# Altium PCB RaspberryPi_ComputeModule3.PcbDoc (continued)
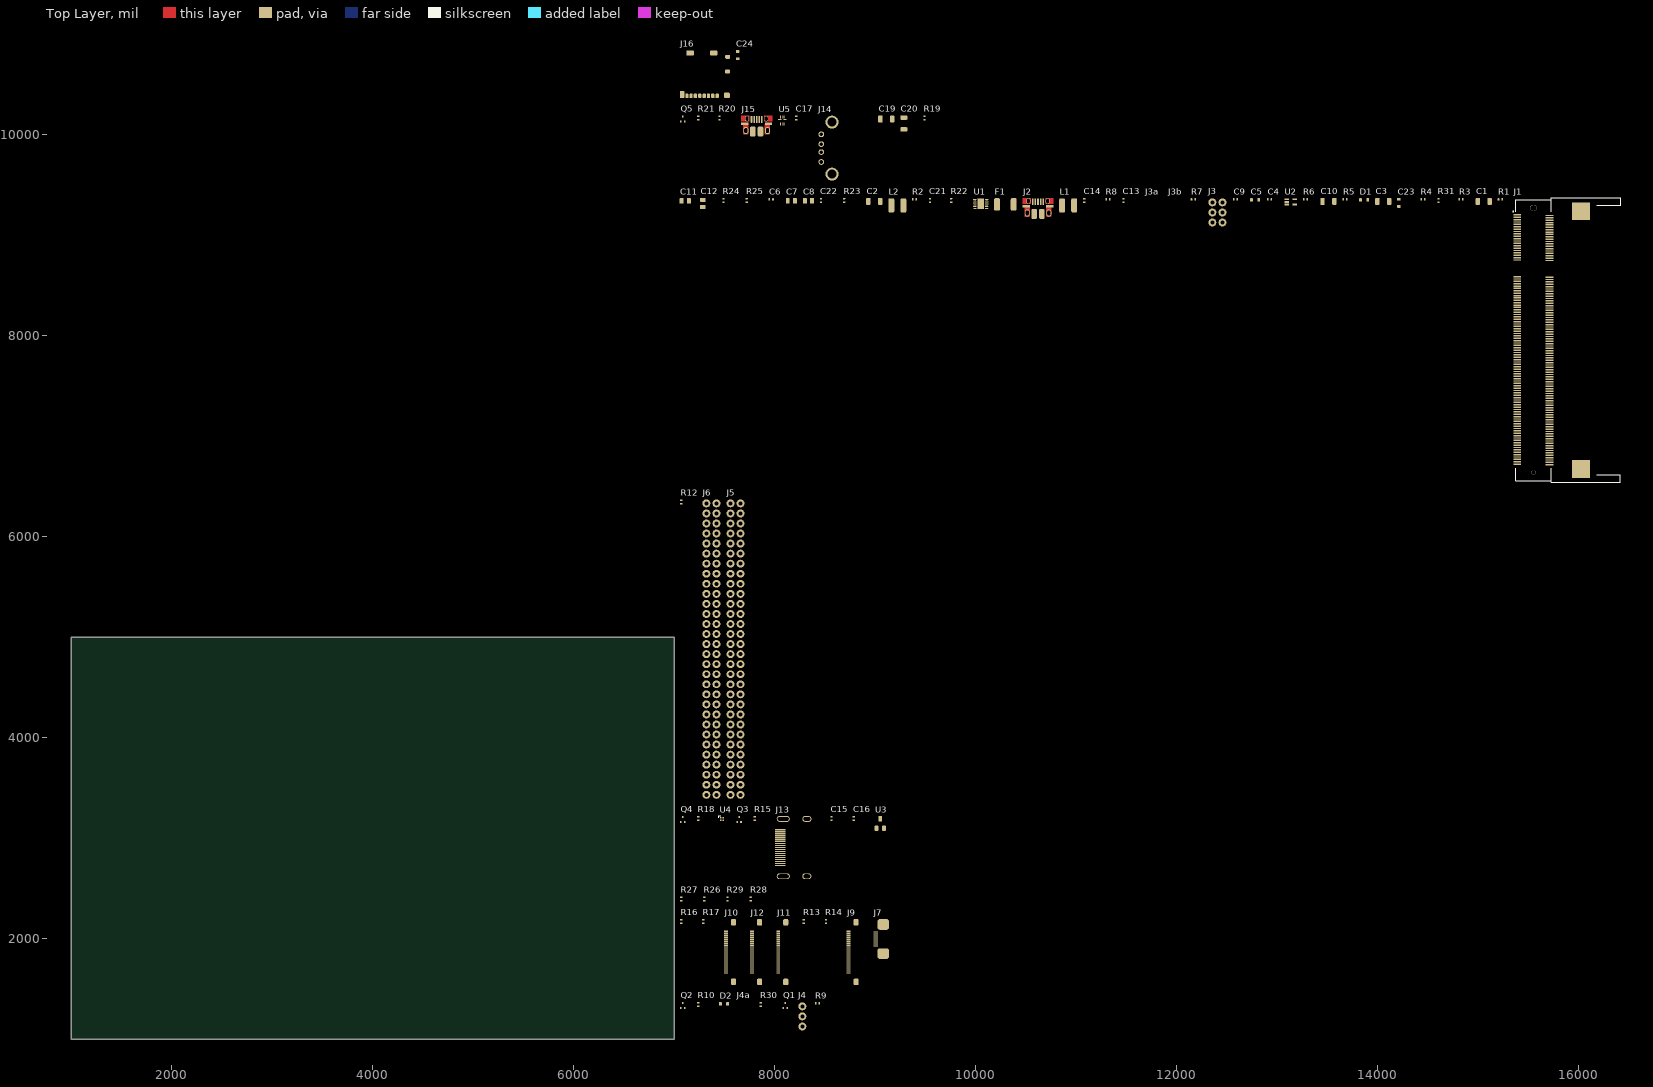
[diagram p0: Top Layer view]
## Footprints (in the part's own frame and the unit in brackets; to place one, negate y for a bottom-side part, rotate by r counter-clockwise, add the part's x,y. Pads: shape width x height; smd on the part's side, far side on the other; paste and mask are expansions set on the pad) (continued)
  Top Layer region: -2.808,0.595 -2.726,1.397 -2.075,1.397 -2.075,-0.66 -2.076,-0.679 -2.079,-0.704 -2.085,-0.728 -2.093,-0.752 -2.104,-0.775 -2.117,-0.796 -2.132,-0.816 -2.15,-0.834 -2.169,-0.85 -2.19,-0.865 -2.212,-0.877 -2.235,-0.886 -2.259,-0.893 -2.284,-0.898 -2.309,-0.9 -2.725,-0.9 -2.725,-0.605 -2.697,-0.604 -2.679,-0.602 -2.66,-0.599 -2.642,-0.595 -2.624,-0.59 -2.606,-0.585 -2.589,-0.578 -2.572,-0.571 -2.556,-0.562 -2.539,-0.553 -2.524,-0.543 -2.509,-0.532 -2.494,-0.52 -2.481,-0.508 -2.467,-0.494 -2.455,-0.481 -2.443,-0.466 -2.432,-0.451 -2.422,-0.436 -2.413,-0.419 -2.404,-0.403 -2.397,-0.386 -2.39,-0.369 -2.385,-0.351 -2.38,-0.333 -2.376,-0.315 -2.373,-0.296 -2.371,-0.278 -2.37,-0.259 -2.37,0 -2.37,0.25 -2.371,0.278 -2.373,0.296 -2.376,0.315 -2.38,0.333 -2.385,0.351 -2.39,0.369 -2.397,0.386 -2.404,0.403 -2.413,0.419 -2.422,0.436 -2.432,0.451 -2.443,0.466 -2.455,0.481 -2.467,0.494 -2.481,0.508 -2.494,0.52 -2.509,0.532 -2.524,0.543 -2.539,0.553 -2.556,0.562 -2.572,0.571 -2.589,0.578 -2.606,0.585 -2.624,0.59 -2.642,0.595 -2.66,0.599 -2.679,0.602 -2.697,0.604
  body extent -4.02,-2.78 4.02,3.26, height 2.89
"GJM 0402 C" [mm] "IPC Medium Density"
  rrect50% 0.4x0.6 smd: 1(-0.45,0) 2(0.45,0)
  body extent -0.5,-0.3 0.5,0.3, height 0.2
"Kobiconn 151-8011-E (Blue)" [mil]
  body extent -98,-47 98,47, height 126
"Molex 54548-2271" [mm]
  rrect50% 0.3x1 smd mask+0.05: 1(5.25,0) 2(4.75,0) 3(4.25,0) 4(3.75,0) 5(3.25,0) 6(2.75,0) 7(2.25,0) 8(1.75,0) 9(1.25,0) 10(0.75,0) 11(0.25,0) 12(-0.25,0) 13(-0.75,0) 14(-1.25,0) 15(-1.75,0) 16(-2.25,0) 17(-2.75,0) 18(-3.25,0) 19(-3.75,0) 20(-4.25,0) 21(-4.75,0) 22(-5.25,0)
  rrect50% 1.65x1.3 smd mask+0.05: G1(7.525,-1.9) G2(-7.525,-1.9)
  body extent -8.1,-4.8 8.1,0.2, height 1.2
"MOLEX 104031-0811" [mm] "Micro SD Card"
  rrect50% 0.85x1.1 smd: 1(3.105,-5.2) 3(0.905,-5.2) 4(-0.195,-5.2) 5(-1.295,-5.2) 6(-2.395,-5.2) 7(-3.495,-5.2)
  rrect50% 0.875x1.1 smd: 2(2.005,-5.2)
  rrect50% 0.75x1.1 smd: 8(-4.545,-5.2)
  rrect50% 1.2x1 smd: 9(5.74,0.95) 10(5.74,4.65)
  rrect50% 1.9x1.35 smd: 11(2.24,5.625) 12(-3.73,5.625)
  rrect50% 1.17x1.8 smd: 13(-5.755,-4.85)
  rrect50% 1.55x1.35 smd: 14(5.565,-5.075)
  body extent -5.98,-5.46 5.97,5.94, height 1.44
"Molex 471511051 HDMi" [mm] "Molex 471511051"
  rrect50% 0.3x2.6 smd mask+0.05: 1(4.5,0.76) 2(4,0.76) 3(3.5,0.76) 4(3,0.76) 5(2.5,0.76) 6(2,0.76) 7(1.5,0.76) 8(1,0.76) 9(0.5,0.76) 10(0,0.76) 11(-0.5,0.76) 12(-1,0.76) 13(-1.5,0.76) 14(-2,0.76) 15(-2.5,0.76) 16(-3,0.76) 17(-3.5,0.76) 18(-4,0.76) 19(-4.5,0.76)
  rrect100% 1.5x3.3 hole 0.9 slot 2.7 at 90 deg: 20(7.25,0) 22(-7.25,0)
  rrect100% 1.5x2.3 hole 0.9 slot 1.7 at 90 deg: 21(7.25,-5.96) 23(-7.25,-5.96)
  body extent -7.55,-10.5 7.45,1.65, height 16.17
"MURATA C1206 / CAPC3216X94N" [mil] "MURATA CAPC3216X94N"
  rrect50% 44x71 smd: 1(-59,0) 2(59,0)
  body extent -63,-31 63,32, height 39
"ONSemi CSP-9" [mm]
  round 0.21 smd: A1(-0.4,0.4) A2(0,0.4) A3(0.4,0.4) B1(-0.4,0) B2(0,0) B3(0.4,0) C1(-0.4,-0.4) C2(0,-0.4) C3(0.4,-0.4)
  silkscreen extent -0.76,0.25 -0.25,0.76, body extent -0.57,-0.57 0.57,0.57, height 0.57
RES0402 [mm]
  rrect50% 0.4x0.6 smd: 1(-0.45,0) 2(0.45,0)
  body extent -0.5,-0.25 0.5,0.25, height 0.3
RES0402N/A [mm] "KOA N.A"
  rrect50% 0.4x0.6 smd: 1(-0.45,0) 2(0.45,0)
"ROHM 0603 LED" [mm] "ROHM 0603 LED"
  rrect50% 0.7x0.9 smd: A(-0.9,0) C(0.9,0)
  body extent -0.8,-0.4 0.8,0.42, height 0.7
"Samtec TSW-103-07-S-S" [mm] "Samtec TSW-103-07-S-S"
  round 2 hole 1: 1(-2.54,0) 2(0,0) 3(2.54,0)
  body extent -3.95,-1.27 3.8,1.27, height 8.38
"TDK 0402 C" [mm] "Minimal"
  rrect50% 0.4x0.6 smd: 1(-0.45,0) 2(0.45,0)
  body extent -0.5,-0.3 0.5,0.3, height 0.2
"TE 2x30 PINS 8-146256-0" [mm]
  round 2 hole 1: 1(0,0) 2(0,2.54) 3(2.54,0) 4(2.54,2.54) 5(5.08,0) 6(5.08,2.54) 7(7.62,0) 8(7.62,2.54) 9(10.16,0) 10(10.16,2.54) 11(12.7,0) 12(12.7,2.54) 13(15.24,0) 14(15.24,2.54) 15(17.78,0) 16(17.78,2.54) 17(20.32,0) 18(20.32,2.54) 19(22.86,0) 20(22.86,2.54) 21(25.4,0) 22(25.4,2.54) 23(27.94,0) 24(27.94,2.54) 25(30.48,0) 26(30.48,2.54) 27(33.02,0) 28(33.02,2.54) 29(35.56,0) 30(35.56,2.54) 31(38.1,0) 32(38.1,2.54) 33(40.64,0) 34(40.64,2.54) 35(43.18,0) 36(43.18,2.54) 37(45.72,0) 38(45.72,2.54) 39(48.26,0) 40(48.26,2.54) 41(50.8,0) 42(50.8,2.54) 43(53.34,0) 44(53.34,2.54) 45(55.88,0) 46(55.88,2.54) 47(58.42,0) 48(58.42,2.54) 49(60.96,0) 50(60.96,2.54) 51(63.5,0) 52(63.5,2.54) 53(66.04,0) 54(66.04,2.54) 55(68.58,0) 56(68.58,2.54) 57(71.12,0) 58(71.12,2.54) 59(73.66,0) 60(73.66,2.54)
  body extent -1.08,-1.17 74.71,3.71, height 8.13
"TE 1473005-4 (DDR2 SO-DIMM)" [mm]
  rect 0.35x2 smd: 1(31.65,4.1) 2(31.5,-4.1) 3(31.05,4.1) 4(30.9,-4.1) 5(30.45,4.1) 6(30.3,-4.1) 7(29.85,4.1) 8(29.7,-4.1) 9(29.25,4.1) 10(29.1,-4.1) 11(28.65,4.1) 12(28.5,-4.1) 13(28.05,4.1) 14(27.9,-4.1) 15(27.45,4.1) 16(27.3,-4.1) 17(26.85,4.1) 18(26.7,-4.1) 19(26.25,4.1) 20(26.1,-4.1) 21(25.65,4.1) 22(25.5,-4.1) 23(25.05,4.1) 24(24.9,-4.1) 25(24.45,4.1) 26(24.3,-4.1) 27(23.85,4.1) 28(23.7,-4.1) 29(23.25,4.1) 30(23.1,-4.1) 31(22.65,4.1) 32(22.5,-4.1) 33(22.05,4.1) 34(21.9,-4.1) 35(21.45,4.1) 36(21.3,-4.1) 37(20.85,4.1) 38(20.7,-4.1) 39(20.25,4.1) 40(20.1,-4.1) 41(16.05,4.1) 42(15.9,-4.1) 43(15.45,4.1) 44(15.3,-4.1) 45(14.85,4.1) 46(14.7,-4.1) 47(14.25,4.1) 48(14.1,-4.1) 49(13.65,4.1) 50(13.5,-4.1) 51(13.05,4.1) 52(12.9,-4.1) 53(12.45,4.1) 54(12.3,-4.1) 55(11.85,4.1) 56(11.7,-4.1) 57(11.25,4.1) 58(11.1,-4.1) 59(10.65,4.1) 60(10.5,-4.1) 61(10.05,4.1) 62(9.9,-4.1) 63(9.45,4.1) 64(9.3,-4.1) 65(8.85,4.1) 66(8.7,-4.1) 67(8.25,4.1) 68(8.1,-4.1) 69(7.65,4.1) 70(7.5,-4.1) 71(7.05,4.1) 72(6.9,-4.1) 73(6.45,4.1) 74(6.3,-4.1) 75(5.85,4.1) 76(5.7,-4.1) 77(5.25,4.1) 78(5.1,-4.1) 79(4.65,4.1) 80(4.5,-4.1) 81(4.05,4.1) 82(3.9,-4.1) 83(3.45,4.1) 84(3.3,-4.1) 85(2.85,4.1) 86(2.7,-4.1) 87(2.25,4.1) 88(2.1,-4.1) 89(1.65,4.1) 90(1.5,-4.1) 91(1.05,4.1) 92(0.9,-4.1) 93(0.45,4.1) 94(0.3,-4.1) 95(-0.15,4.1) 96(-0.3,-4.1) 97(-0.75,4.1) 98(-0.9,-4.1) 99(-1.35,4.1) 100(-1.5,-4.1) 101(-1.95,4.1) 102(-2.1,-4.1) 103(-2.55,4.1) 104(-2.7,-4.1) 105(-3.15,4.1) 106(-3.3,-4.1) 107(-3.75,4.1) 108(-3.9,-4.1) 109(-4.35,4.1) 110(-4.5,-4.1) 111(-4.95,4.1) 112(-5.1,-4.1) 113(-5.55,4.1) 114(-5.7,-4.1) 115(-6.15,4.1) 116(-6.3,-4.1) 117(-6.75,4.1) 118(-6.9,-4.1) 119(-7.35,4.1) 120(-7.5,-4.1) 121(-7.95,4.1) 122(-8.1,-4.1) 123(-8.55,4.1) 124(-8.7,-4.1) 125(-9.15,4.1) 126(-9.3,-4.1) 127(-9.75,4.1) 128(-9.9,-4.1) 129(-10.35,4.1) 130(-10.5,-4.1) 131(-10.95,4.1) 132(-11.1,-4.1) 133(-11.55,4.1) 134(-11.7,-4.1) 135(-12.15,4.1) 136(-12.3,-4.1) 137(-12.75,4.1) 138(-12.9,-4.1) 139(-13.35,4.1) 140(-13.5,-4.1) 141(-13.95,4.1) 142(-14.1,-4.1) 143(-14.55,4.1) 144(-14.7,-4.1) 145(-15.15,4.1) 146(-15.3,-4.1) 147(-15.75,4.1) 148(-15.9,-4.1) 149(-16.35,4.1) 150(-16.5,-4.1) 151(-16.95,4.1) 152(-17.1,-4.1) 153(-17.55,4.1) 154(-17.7,-4.1) 155(-18.15,4.1) 156(-18.3,-4.1) 157(-18.75,4.1) 158(-18.9,-4.1) 159(-19.35,4.1) 160(-19.5,-4.1) 161(-19.95,4.1) 162(-20.1,-4.1) 163(-20.55,4.1) 164(-20.7,-4.1) 165(-21.15,4.1) 166(-21.3,-4.1) 167(-21.75,4.1) 168(-21.9,-4.1) 169(-22.35,4.1) 170(-22.5,-4.1) 171(-22.95,4.1) 172(-23.1,-4.1) 173(-23.55,4.1) 174(-23.7,-4.1) 175(-24.15,4.1) 176(-24.3,-4.1) 177(-24.75,4.1) 178(-24.9,-4.1) 179(-25.35,4.1) 180(-25.5,-4.1) 181(-25.95,4.1) 182(-26.1,-4.1) 183(-26.55,4.1) 184(-26.7,-4.1) 185(-27.15,4.1) 186(-27.3,-4.1) 187(-27.75,4.1) 188(-27.9,-4.1) 189(-28.35,4.1) 190(-28.5,-4.1) 191(-28.95,4.1) 192(-29.1,-4.1) 193(-29.55,4.1) 194(-29.7,-4.1) 195(-30.15,4.1) 196(-30.3,-4.1) 197(-30.75,4.1) 198(-30.9,-4.1) 199(-31.35,4.1) 200(-31.5,-4.1)
  round 1.1 hole 1.1 unplated: G1(-33.4,0)
  round 1.6 hole 1.6 unplated: G2(33.4,0)
  rect 4.5x4.6 smd: G3(-32.55,-12) G4(32.55,-12)
  silkscreen extent -35.89,-22.06 35.96,5.18, body extent -35.75,-21.03 35.75,5.02, height 5.27
"Vishay Beyschlag MCS0402" [mm] "Vishay MCS0402"
  rrect50% 0.4x0.6 smd: 1(-0.45,0) 2(0.45,0)
  body extent -0.5,-0.25 0.5,0.25, height 0.31
"Vishay RES0402" [mm]
  rrect50% 0.4x0.6 smd: 1(-0.45,0) 2(0.45,0)
  body extent -0.5,-0.25 0.5,0.25, height 0.3
"WE 68710814522 N/A" [mm]
  rrect50% 0.3x1.2 smd: 1(-1.75,1.9) 2(-1.25,1.9) 3(-0.75,1.9) 4(-0.25,1.9) 5(0.25,1.9) 6(0.75,1.9) 7(1.25,1.9) 8(1.75,1.9)
  rrect50% 2.7x3 smd: 9(3.68,0) 10(-3.68,0)
"WE USB connector 61400416021" [mm] "WE USB connector 61400416021"
  round 1.428 hole 0.92: 1(-3.5,2.71) 2(-1,2.71) 3(1,2.71) 4(3.5,2.71)
  round 3.316 hole 2.3: SHELL(-6.57,0) SHELL2(6.57,0)
  body extent -8.02,-10.25 7.97,3.75, height 7.63
"YAGEO RES0402" [mm] "YAGEO RES0402"
  rrect50% 0.4x0.6 smd: 1(-0.45,0) 2(0.45,0)
  body extent -0.5,-0.25 0.5,0.25, height 0.3

## Part data
C1 C2 C3 C10 C19 C20: library part C3216JB1C476M160AB, "47µF ±20% 16V JB Ceramic Capacitor -25°C ~ 85°C Surface Mount, MLCC 1206 (3216 Metric) 0.126\" L x 0.063\" W (3.20mm x 1.60mm)", Case/Package=1206, Case Code (Metric)=3216, Dielectric Material=Ceramic, Manufacturer=TDK, Max Operating Temperature=85°C, Min Operating Temperature=-25°C, Package Quantity=1, Tolerance=20%, Voltage Rating=16V, Capacitance=47uF, Case Code (Imperial)=1206, ComponentLink1Description=https://product.tdk.com/en/products/common/pdf/mlcc_partnumber_description.pdf, ComponentLink1URL=https://product.tdk.com/en/products/common/pdf/mlcc_partnumber_description.pdf, ComponentLink2Description=http://product.tdk.com/en/catalog/datasheets/mlcc_commercial_general_en.pdf, ComponentLink2URL=http://product.tdk.com/en/catalog/datasheets/mlcc_commercial_general_en.pdf, ComponentLink3Description=http://www.mouser.com/ds/2/400/lcc_commercial_general_en-837201.pdf, ComponentLink3URL=http://www.mouser.com/ds/2/400/lcc_commercial_general_en-837201.pdf, Composition=Ceramic, Height=1.6mm, Lead Free="Lead Free", Length=0.126inch, Manufacturer Part Number=C3216JB1C476M160AB, Mount="Surface Mount", Packaging="Tape and Reel", Pricing 1="1=1.2, 10=0.949, 100=0.7116, 500=0.53762, 1000=0.47438 (USD)", Stock 1=203837, Supplier 1=Digi-Key, Termination=SMD/SMT, Thickness=0.069inch, Voltage Rating (DC)=16V, Width=0.063inch
C4 C13 C14: library part C1005X5R1E105K050BC, "Multilayer Ceramic Capacitors MLCC - SMD/SMT 0402 25V 1uF X5R 10% T: 0.5mm", Capacitance="1 uF", Capacitance - nF="1000 nF", Case Code - in=0402, Case Code - mm=1005, Dielectric=X5R, Manufacturer=TDK, Maximum Operating Temperature="+ 85 C", Minimum Operating Temperature="- 55 C", Package / Case="0402 (1005 metric)", Tolerance="10 %", Voltage Rating DC="25 VDC", Brand=TDK, Category="Multilayer Ceramic Capacitors MLCC - SMD/SMT", ComponentLink1Description=https://www.mouser.com/ds/2/400/lcc_commercial_general_en-837201.pdf, ComponentLink1URL=https://www.mouser.com/ds/2/400/lcc_commercial_general_en-837201.pdf, Height="0.5 mm", Length="1 mm", Manufacturer Part Number=C1005X5R1E105K050BC, Minimum Order Quantity=1, Packaging="Cut Tape", Pricing 1="1=0.201, 10=0.136, 100=0.054, 500=0.045, 1000=0.037, 2500=0.031, 10000=0.027 (USD)", Product="General Type MLCCs", Product Status="Not Recommended for New Designs", Reeling=True, RoHS="RoHS Compliant", RoHS - Mouser=Y, Series=C, Standard Pack Qty=10000, Stock 1=6906, Supplier 1=Mouser, Termination Style=SMD/SMT, Type="Multilayer Ceramic Chip Capacitor", Width="0.5 mm"
C5 C23 C24: library part GRT188R6YA475KE13D, "4.7µF 35V Ceramic Capacitor X5R 0603 (1608 Metric) 0.063\" L x 0.031\" W (1.60mm x 0.80mm)", Capacitance=4.7uF, Case/Package=0603, Case Code (Metric)=1608, Manufacturer=Murata, Max Operating Temperature=85°C, Min Operating Temperature=-55°C, Tolerance=10%, Voltage Rating=35V, Case Code (Imperial)=0603, ComponentLink1Description=http://search.murata.co.jp/Ceramy/image/img/A01X/G101/ENG/GRT188R6YA475KE13-01.pdf, ComponentLink1URL=http://search.murata.co.jp/Ceramy/image/img/A01X/G101/ENG/GRT188R6YA475KE13-01.pdf, Length=0.063inch, Manufacturer Part Number=GRT188R6YA475KE13D, Mount="Surface Mount", Packaging="Tape and Reel", Pricing 1="10000=0.133 (USD)", Stock 1=292, Supplier 1=Mouser, Thickness=0.035inch, Width=0.031inch
C6 C9 C15 C16 C17: library part GRM155R71A104JA01D, "Multilayer Ceramic Capacitors MLCC - SMD/SMT 0402 0.1uF 10volts 5%", Capacitance="0.1 uF", Capacitance - nF="100 nF", Capacitance - pF="100000 pF", Case Code - in=0402, Case Code - mm=1005, Dielectric=X7R, Manufacturer="Murata Electronics", Maximum Operating Temperature="+ 125 C", Minimum Operating Temperature="- 55 C", Package / Case="0402 (1005 metric)", Tolerance="5 %", Voltage Rating DC="10 VDC", Brand="Murata Electronics", Category="Multilayer Ceramic Capacitors MLCC - SMD/SMT", ComponentLink1Description=https://www.mouser.com/ds/2/281/c02e-2905.pdf, ComponentLink1URL=https://www.mouser.com/ds/2/281/c02e-2905.pdf, Height="0.5 mm", Length="1 mm", Manufacturer Part Number=GRM155R71A104JA01D, Minimum Order Quantity=1, Packaging="Cut Tape", Pricing 1="1=0.100, 10=0.024, 100=0.011, 500=0.008, 1000=0.006, 5000=0.005, 10000=0.004 (USD)", Product="General Type MLCCs", Reeling=True, RoHS="RoHS Compliant", RoHS - Mouser=Y, Series=GRM, Standard Pack Qty=10000, Stock 1=376, Supplier 1=Mouser, Termination Style=SMD/SMT, Type="Chip Monolithic Ceramic Capacitor", Width="0.5 mm"
C7 C8 C11 C12: library part C2012X7S1C106K125AC, Manufacturer=TDK, Manufacturer Part Number=C2012X7S1C106K125AC, Pricing 1="1=0.7, 10=0.4, 50=0.4, 100=0.27, 1000=0.226, 10000=0.138 (USD)", Stock 1=5410, Supplier 1=Mouser
C21 C22: library part VJ0402A101FXACW1BC_NA, "Multilayer Ceramic Capacitors MLCC - SMD/SMT 0402 100pF 50volts C0G 1%", Case/Package=0402, Case Code (Metric)=1005, Dielectric=C0G, Dielectric Material=Tantalum, Manufacturer="Vishay Vitramon", Manufacturer Part Number=VJ0402A101FXACW1BC, Max Operating Temperature=125°C, Min Operating Temperature=-55°C, Package Quantity=10000, Tolerance=1%, Voltage Rating (DC)=50V, Capacitance=100pF, Case Code (Imperial)=0402, ComponentLink1Description=https://datasheet.ciiva.com/11477/vjw1bcbascomseries-11477228.pdf, ComponentLink1URL=https://datasheet.ciiva.com/11477/vjw1bcbascomseries-11477228.pdf, Depth=0.5mm, Height=0.55mm, Lead Free="Lead Free", Length=1mm, Mount="Surface Mount", Packaging="Tape and Reel", Pricing 1="10000=0.026 (USD)", Stock 1=4478, Supplier 1=Mouser, Termination=SMD/SMT, Width=0.5mm
D1: library part SML-D12U8WT86, "LED RED DIFFUSED 0603 SMD", Case/Package=0603, Case Code (Metric)=1608, Colour=Red, Forward Current=20mA, Forward Voltage=2.2V, Lens Colour=White,Clear,Diffused, Manufacturer=Rohm, Max Operating Temperature=85°C, Min Operating Temperature=-40°C, Package Quantity=1, Case Code (Imperial)=0603, ComponentLink1Description=https://datasheet.ciiva.com/11774/0900766b80df3ada-11774020.pdf, ComponentLink1URL=https://datasheet.ciiva.com/11774/0900766b80df3ada-11774020.pdf, ComponentLink2Description=https://datasheet.ciiva.com/2110/sml-d1-2110375.pdf, ComponentLink2URL=https://datasheet.ciiva.com/2110/sml-d1-2110375.pdf, ComponentLink3Description=https://datasheet.ciiva.com/2110/sml-d1-2110376.pdf, ComponentLink3URL=https://datasheet.ciiva.com/2110/sml-d1-2110376.pdf, ComponentLink4Description=https://datasheet.ciiva.com/2110/sml-d1-2110377.pdf, ComponentLink4URL=https://datasheet.ciiva.com/2110/sml-d1-2110377.pdf, ComponentLink5Description=https://datasheet.ciiva.com/9324/sml-d1-9324826.pdf, ComponentLink5URL=https://datasheet.ciiva.com/9324/sml-d1-9324826.pdf, ComponentLink6Description=https://datasheet.ciiva.com/17420/sml-d1-17420939.pdf, ComponentLink6URL=https://datasheet.ciiva.com/17420/sml-d1-17420939.pdf, Dominant Wavelength=620nm, Height=0.65mm, Illumination Colour=Red, Lead Free="Lead Free", Length=1.6mm, Lens Style=Diffused,Colorless,Rectangular, Lens Transparency=Diffused, Luminous Intensity=63mcd, Manufacturer Part Number=SML-D12U8WT86, Mount="Surface Mount", Number of LEDs=1, Number of Pins=2, Packaging="Tape and Reel", Pricing 1="1=0.32, 10=0.216, 50=0.216, 100=0.09, 1000=0.062, 10000=0.041 (USD)", Radiation Hardening=No, REACH SVHC="No SVHC", Stock 1=16573, Supplier 1=Mouser, Test Current=20mA, Viewing Angle=160°, Wavelength=620nm, Width=0.8mm
D2: library part SML-D12M8WT86, "LED GREEN DIFFUSED 0603 SMD", Case/Package=0603, Case Code (Metric)=1608, Colour=Green,Yellow, Forward Current=20mA, Forward Voltage=2.2V, Illumination Colour=Green, Lens Colour=White,Clear,Diffused, Manufacturer=Rohm, Max Operating Temperature=85°C, Min Operating Temperature=-40°C, Package Quantity=1, Case Code (Imperial)=0603, ComponentLink1Description=https://datasheet.ciiva.com/11774/0900766b80df3ada-11774260.pdf, ComponentLink1URL=https://datasheet.ciiva.com/11774/0900766b80df3ada-11774260.pdf, ComponentLink2Description=https://datasheet.ciiva.com/3161/sml-d1-3161419.pdf, ComponentLink2URL=https://datasheet.ciiva.com/3161/sml-d1-3161419.pdf, ComponentLink3Description=https://datasheet.ciiva.com/2110/sml-d1-2110396.pdf, ComponentLink3URL=https://datasheet.ciiva.com/2110/sml-d1-2110396.pdf, ComponentLink4Description=https://datasheet.ciiva.com/2110/sml-d1-2110397.pdf, ComponentLink4URL=https://datasheet.ciiva.com/2110/sml-d1-2110397.pdf, ComponentLink5Description=https://datasheet.ciiva.com/2110/sml-d1-2110398.pdf, ComponentLink5URL=https://datasheet.ciiva.com/2110/sml-d1-2110398.pdf, Dominant Wavelength=572nm, Height=0.65mm, Lead Free="Lead Free", Length=1.6mm, Lens Style=Diffused,Colorless,Rectangular, Lens Transparency=Diffused, Luminous Intensity=25mcd, Manufacturer Part Number=SML-D12M8WT86, Mount="Surface Mount", Number of LEDs=1, Number of Pins=2, Packaging="Tape and Reel", Pricing 1="1=0.32, 10=0.216, 50=0.216, 100=0.09, 1000=0.062, 10000=0.041 (USD)", Radiation Hardening=No, REACH SVHC=Unknown, Stock 1=109326, Supplier 1=Mouser, Test Current=20mA, Viewing Angle=160°, Wavelength=572nm, Width=0.8mm
F1: library part MF-MSMF200-2, "PTC RESETTABLE 2.00A 8V 1812", Case/Package=1812, Case Code (Metric)=4532, Current Rating=40A, Hold Current=2A, Manufacturer=Bourns, Max Operating Temperature=85°C, Max Power Dissipation=800mW, Min Operating Temperature=-40°C, Operating Supply Voltage=8V, Package Quantity=2000, Resistance=80mR, Trip Current=4A, Approvals=UL,CSA,TUV, Case Code (Imperial)=1812, ComponentLink1Description=https://datasheet.ciiva.com/1228/1786007-1228163.pdf, ComponentLink1URL=https://datasheet.ciiva.com/1228/1786007-1228163.pdf, ComponentLink2Description=https://datasheet.ciiva.com/3020/mfmsmf-3020419.pdf, ComponentLink2URL=https://datasheet.ciiva.com/3020/mfmsmf-3020419.pdf, ComponentLink3Description=https://datasheet.ciiva.com/326/mfmsmf-326966.pdf, ComponentLink3URL=https://datasheet.ciiva.com/326/mfmsmf-326966.pdf, ComponentLink4Description=https://datasheet.ciiva.com/326/mfmsmf-326967.pdf, ComponentLink4URL=https://datasheet.ciiva.com/326/mfmsmf-326967.pdf, ComponentLink5Description=https://datasheet.ciiva.com/326/mfmsmf-326968.pdf, ComponentLink5URL=https://datasheet.ciiva.com/326/mfmsmf-326968.pdf, ComponentLink6Description=https://datasheet.ciiva.com/16692/mfmsmf-16692201.pdf, ComponentLink6URL=https://datasheet.ciiva.com/16692/mfmsmf-16692201.pdf, ComponentLink7Description=https://datasheet.ciiva.com/3019/mfmsmf-3019786.pdf, ComponentLink7URL=https://datasheet.ciiva.com/3019/mfmsmf-3019786.pdf, ComponentLink8Description=https://datasheet.ciiva.com/28411/1786007-28411578.pdf, ComponentLink8URL=https://datasheet.ciiva.com/28411/1786007-28411578.pdf, ComponentLink9Description=https://datasheet.ciiva.com/1274/1786007-1274556.pdf, ComponentLink9URL=https://datasheet.ciiva.com/1274/1786007-1274556.pdf, ComponentLink10Description=https://datasheet.ciiva.com/15187/getdatasheetpartid-117210-15187148.pdf, ComponentLink10URL=https://datasheet.ciiva.com/15187/getdatasheetpartid-117210-15187148.pdf, ComponentLink11Description=https://datasheet.ciiva.com/1274/1786007-1274557.pdf, ComponentLink11URL=https://datasheet.ciiva.com/1274/1786007-1274557.pdf, ComponentLink12Description=https://datasheet.ciiva.com/30196/575mfmsmf-30196429.pdf, ComponentLink12URL=https://datasheet.ciiva.com/30196/575mfmsmf-30196429.pdf, Height=0.85mm, Lead Free="Lead Free", Length=4.73mm, Manufacturer Part Number=MF-MSMF200-2, Max Current Rating=40A, Mount="Surface Mount,PCB", Number of Terminals=2, Packaging="Tape and Reel", Power Dissipation=800mW, Pricing 1="1=0.38, 10=0.306, 50=0.306, 100=0.255, 1000=0.244, 10000=0.244 (USD)", Radiation Hardening=No, REACH SVHC="No SVHC", Stock 1=5483, Supplier 1=Mouser, Terminal Material=Nickel, Termination=SMD/SMT, Time to Trip=3s, Voltage Rating=8V, Voltage Rating (DC)=8V, Width=3.41mm
J1: library part 1473005-4, "TE CONNECTIVITY / AMP         1473005-4             SOCKET IC, DIMM, DDR2, 1.8V, 200WAY", Contact Current Rating=500mA, Flammability Rating="UL94 V-0", Housing Colour=Black, Insulation Resistance=250MR, Manufacturer="TE Connectivity", Max Operating Temperature=185°C, Min Operating Temperature=-67°C, Package Quantity=20, Voltage Rating=1.8V, Circuit Application=Power, ComponentLink1Description=https://datasheet.ciiva.com/682/eng-cd-1473005-j2-682720.pdf, ComponentLink1URL=https://datasheet.ciiva.com/682/eng-cd-1473005-j2-682720.pdf, ComponentLink2Description=https://datasheet.ciiva.com/15171/getdatasheetpartid-99150-15171488.pdf, ComponentLink2URL=https://datasheet.ciiva.com/15171/getdatasheetpartid-99150-15171488.pdf, ComponentLink3Description=https://datasheet.ciiva.com/1105/582309-1105221.pdf, ComponentLink3URL=https://datasheet.ciiva.com/1105/582309-1105221.pdf, ComponentLink4Description=https://datasheet.ciiva.com/682/eng-cd-1473005-j2-682726.pdf, ComponentLink4URL=https://datasheet.ciiva.com/682/eng-cd-1473005-j2-682726.pdf, ComponentLink5Description=https://datasheet.ciiva.com/14156/04821302-14156311.pdf, ComponentLink5URL=https://datasheet.ciiva.com/14156/04821302-14156311.pdf, ComponentLink6Description=https://datasheet.ciiva.com/3136/eng-cd-1473005-j-3136060.pdf, ComponentLink6URL=https://datasheet.ciiva.com/3136/eng-cd-1473005-j-3136060.pdf, ComponentLink7Description=https://datasheet.ciiva.com/16380/eng-cd-1473005-j-16380909.pdf, ComponentLink7URL=https://datasheet.ciiva.com/16380/eng-cd-1473005-j-16380909.pdf, ComponentLink8Description=https://datasheet.ciiva.com/16651/eng-cd-1473005-j-16651646.pdf, ComponentLink8URL=https://datasheet.ciiva.com/16651/eng-cd-1473005-j-16651646.pdf, Connector System=Cable-to-Board, Connector Type=Socket, Contact Material="Copper Alloy", Contact Plating=Gold, Depth=26mm, ELV=Compliant, Gender=Female, Housing Material=Thermoplastic, Insulation Material=Thermoplastic, Lead Free="Lead Free", Length=71.5mm, Manufacturer Part Number=1473005-4, Memory Type=SDRAM,DDR, Mount="Surface Mount", Number of Contacts=200, Number of Pins=200, Number of Positions=200, Number of Rows=2, Orientation="Right Angle", Packaging=Tray, PCB Mount Retention=With, Pitch=0.6mm, Pricing 1="1=3.9, 10=3.744, 25=3.432, 50=3.276, 100=3.12, 250=2.73, 500=2.652, 1000=2.262, 2500=2.106 (USD)", Radiation Hardening=No, REACH SVHC="No SVHC", Row Spacing=0.244inch, Sealable="No (Without)", Stack Height=5.2mm, Stock 1=3804, Supplier 1=Digi-Key, Termination=Solder
J2 J15: "USB - micro B USB 2.0 Receptacle Connector 5 Position Surface Mount, Right Angle, Horizontal", Current Rating=1.8A, Insulation Resistance=1GR, Manufacturer="Amphenol FCI", Max Operating Temperature=85°C, Max Voltage Rating (AC)=100V, Min Operating Temperature=-55°C, Package Quantity=1500, ComponentLink1Description=https://datasheet.ciiva.com/8015/10103594-8015248.pdf, ComponentLink1URL=https://datasheet.ciiva.com/8015/10103594-8015248.pdf, ComponentLink2Description=https://datasheet.ciiva.com/11731/0900766b80ed1ae4-11731328.pdf, ComponentLink2URL=https://datasheet.ciiva.com/11731/0900766b80ed1ae4-11731328.pdf, ComponentLink3Description=https://datasheet.ciiva.com/14618/70236822-14618885.pdf, ComponentLink3URL=https://datasheet.ciiva.com/14618/70236822-14618885.pdf, ComponentLink4Description=https://datasheet.ciiva.com/22654/1469075-22654519.pdf, ComponentLink4URL=https://datasheet.ciiva.com/22654/1469075-22654519.pdf, ComponentLink5Description=https://datasheet.ciiva.com/851/10103594-851115.pdf, ComponentLink5URL=https://datasheet.ciiva.com/851/10103594-851115.pdf, ComponentLink6Description=https://datasheet.ciiva.com/5726/10103594-5726971.pdf, ComponentLink6URL=https://datasheet.ciiva.com/5726/10103594-5726971.pdf, ComponentLink7Description=https://datasheet.ciiva.com/851/10103594-851116.pdf, ComponentLink7URL=https://datasheet.ciiva.com/851/10103594-851116.pdf, ComponentLink8Description=https://datasheet.ciiva.com/851/10103594-851117.pdf, ComponentLink8URL=https://datasheet.ciiva.com/851/10103594-851117.pdf, Connector Type=USB,Receptacle, Contact Material="Copper,Copper Alloy", Contact Plating=Nickel,Gold, Gender=Receptacle, Housing Material=Thermoplastic, Lead Free="Lead Free", Length=8.04mm, Manufacturer Part Number=10103594-0001LF, Mount="Surface Mount,Horizontal", Number of Contacts=5, Number of Ports=1, Number of Terminals=5, Orientation="Right Angle", Packaging="Tape and Reel", Pitch=0.65mm, Pricing 1="1=0.7, 10=0.522, 50=0.522, 100=0.501, 1000=0.359, 10000=0.294 (USD)", Radiation Hardening=No, REACH SVHC="No SVHC", Stock 1=28662, Supplier 1=Mouser, Termination=Solder, USB Standard="USB 2.0", Voltage Rating=100V
J3: "6 Positions Header, Unshrouded Connector 0.100\" (2.54mm) Through Hole Gold or Gold, GXT™", Colour=Black, Current Rating=3A, Flammability Rating="UL94 V-0", Insulation Resistance=5GR, Manufacturer="Amphenol FCI", Max Operating Temperature=125°C, Max Voltage Rating (AC)=1.5kV, Min Operating Temperature=-65°C, Package Quantity=100, ComponentLink1Description=https://datasheet.ciiva.com/5150/67996-223474-5150000.pdf, ComponentLink1URL=https://datasheet.ciiva.com/5150/67996-223474-5150000.pdf, ComponentLink2Description=https://datasheet.ciiva.com/9474/67996-9474266.pdf, ComponentLink2URL=https://datasheet.ciiva.com/9474/67996-9474266.pdf, ComponentLink3Description=https://datasheet.ciiva.com/728/67996-728908.pdf, ComponentLink3URL=https://datasheet.ciiva.com/728/67996-728908.pdf, Connector Type="Male Pin", Contact Gender=Male, Contact Material=Bronze, Contact Mating Length=0.23inch, Contact Plating=Nickel,Gold,GXT, Depth=4.83mm, Gender=Male, Housing Colour=Black, Housing Material=Thermoplastic, Length=7.62mm, Manufacturer Part Number=67997-206HLF, Mating Post Length=5.84mm, Mount="Through Hole", Number of Contacts=6, Number of Positions=6, Number of Rows=2, Orientation=Straight, Packaging=Bulk, Pitch=2.54mm, Pricing 1="1=0.33, 10=0.223, 50=0.223, 100=0.215, 1000=0.154, 10000=0.123 (USD)", Radiation Hardening=No, Row Spacing=0.1inch, Stock 1=2377, Supplier 1=Mouser, Termination=Solder, Termination Post Length=3.05mm, Voltage Rating=1.5kV
J3a J3b J4a: library part 151-8011-E, "Headers & Wire Housings MINI JUMPER GF 6.0MM CLOSE TYPE BLUE", Manufacturer=Kobiconn, Package Quantity=2000, ComponentLink1Description=https://datasheet.ciiva.com/5162/kc-301174-5162989.pdf, ComponentLink1URL=https://datasheet.ciiva.com/5162/kc-301174-5162989.pdf, Contact Gender=Male, Manufacturer Part Number=151-8011-E, Number of Positions=2, Pitch=2.54mm, Stock 1=0, Supplier 1=Mouser
J4: "Conn Unshrouded Header HDR 3 POS 2.54mm Solder ST Thru-Hole Bulk", Colour=Black, Manufacturer=Samtec, Max Current Rating=7.6A, Max Operating Temperature=125°C, Max Voltage Rating (AC)=550V, Min Operating Temperature=-55°C, Package Quantity=1, ComponentLink1Description=https://datasheet.ciiva.com/16733/htsw-th-16733894.pdf, ComponentLink1URL=https://datasheet.ciiva.com/16733/htsw-th-16733894.pdf, ComponentLink2Description=https://datasheet.ciiva.com/48561/htsw-th-48561433.pdf, ComponentLink2URL=https://datasheet.ciiva.com/48561/htsw-th-48561433.pdf, ComponentLink3Description=https://datasheet.ciiva.com/6887/tsw-xxx-xx-xxx-x-xx-xxx-mkt-6887228.pdf, ComponentLink3URL=https://datasheet.ciiva.com/6887/tsw-xxx-xx-xxx-x-xx-xxx-mkt-6887228.pdf, Connector Type="Male Pin", Contact Material=Bronze, Contact Mating Length=0.23inch, Contact Plating=Nickel,Gold, Depth=2.54mm, Gender=Male, Housing Colour=Black, Housing Material=Polyester, Lead Free="Lead Free", Length=7.62mm, Manufacturer Part Number=TSW-103-07-S-S, Mount="Through Hole", Number of Contacts=3, Number of Positions=3, Number of Rows=1, Orientation=Straight, Packaging=Bulk, Pitch=2.54mm, Pricing 1="1=1.22, 10=1.089, 100=0.8965, 500=0.70868, 1000=0.60836, 5000=0.555, 10000=0.53365 (USD)", Radiation Hardening=No, REACH SVHC="No SVHC", Stock 1=950, Supplier 1=Digi-Key, Termination=Solder, Width=2.54mm